# Allegro board MB1209_REVD_160617_FAB4.brd (continued)
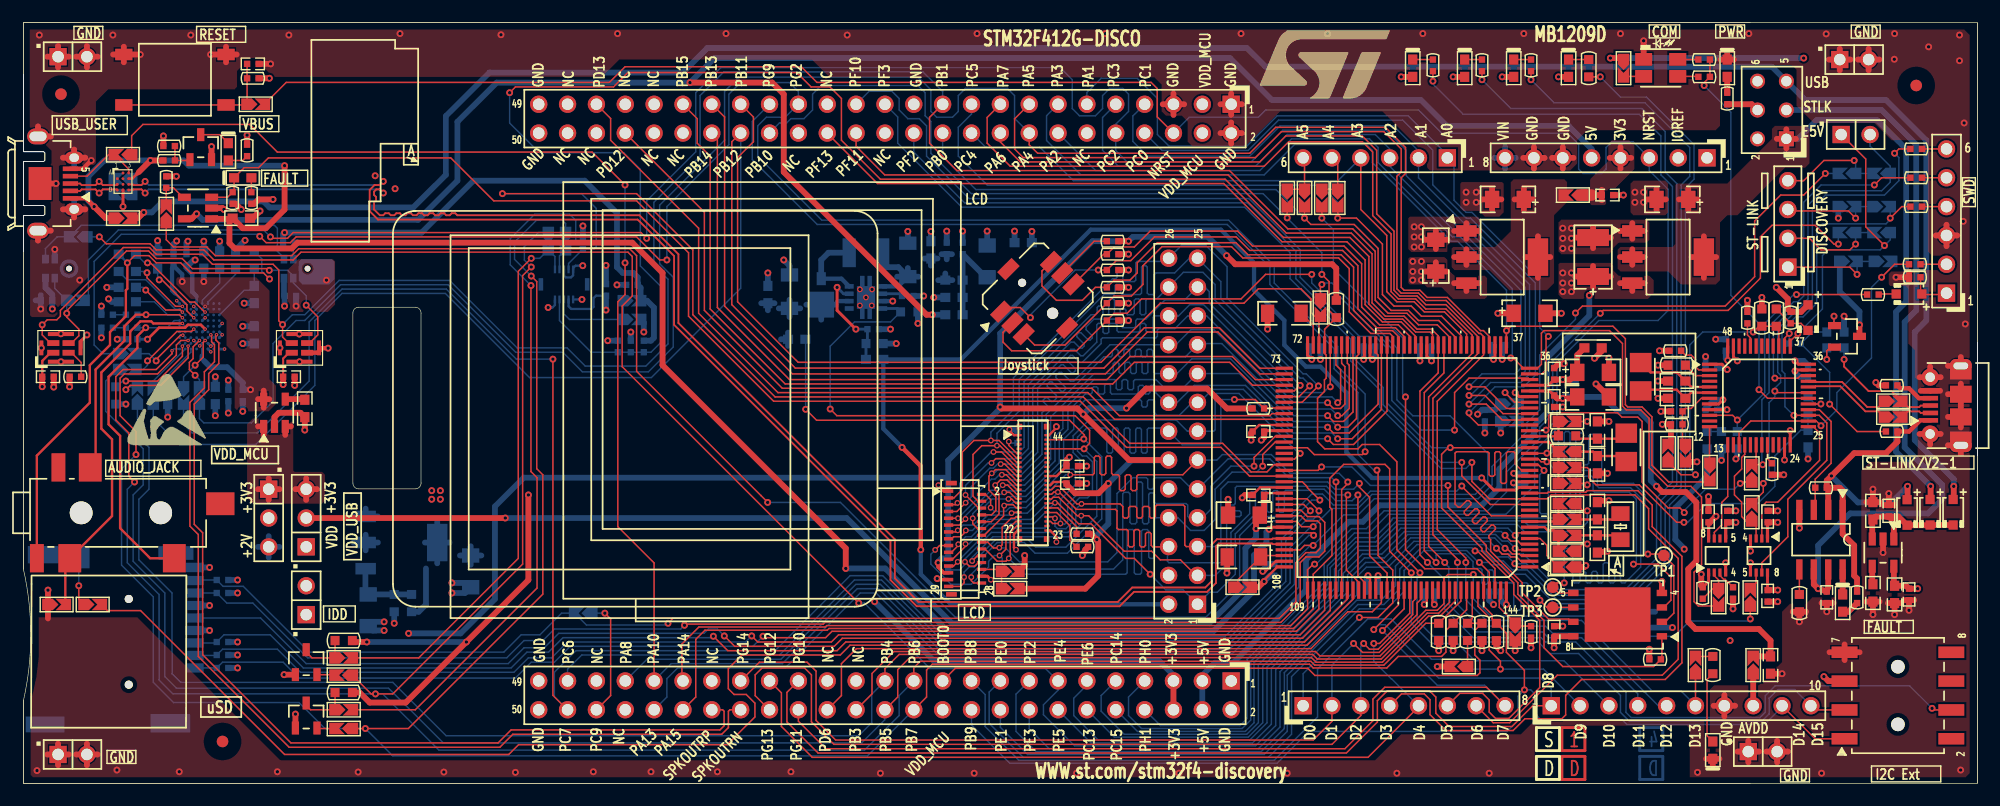
[diagram p0: board, top side]
## Footprints (pads in the part's own frame, mm; a bottom-side part is the same pattern mirrored in y, then rotated) (continued)
LED2_3528
  rect 1.118x1.499 smd: 1(-0.75,-1.5) 2(-0.75,1.5) 3(0.75,1.5) 4(0.75,-1.5)
LQFP48_0R5_9X9
  rect 1.346x0.279 smd: 1(-4.35,2.75) 2(-4.35,2.25) 3(-4.35,1.75) 4(-4.35,1.25) 5(-4.35,0.75) 6(-4.35,0.25) 7(-4.35,-0.25) 8(-4.35,-0.75) 9(-4.35,-1.25) 10(-4.35,-1.75) 11(-4.35,-2.25) 12(-4.35,-2.75) 25(4.35,-2.75) 26(4.35,-2.25) 27(4.35,-1.75) 28(4.35,-1.25) 29(4.35,-0.75) 30(4.35,-0.25) 31(4.35,0.25) 32(4.35,0.75) 33(4.35,1.25) 34(4.35,1.75) 35(4.35,2.25) 36(4.35,2.75)
  rect 0.279x1.346 smd: 13(-2.75,-4.35) 14(-2.25,-4.35) 15(-1.75,-4.35) 16(-1.25,-4.35) 17(-0.75,-4.35) 18(-0.25,-4.35) 19(0.25,-4.35) 20(0.75,-4.35) 21(1.25,-4.35) 22(1.75,-4.35) 23(2.25,-4.35) 24(2.75,-4.35) 37(2.75,4.35) 38(2.25,4.35) 39(1.75,4.35) 40(1.25,4.35) 41(0.75,4.35) 42(0.25,4.35) 43(-0.25,4.35) 44(-0.75,4.35) 45(-1.25,4.35) 46(-1.75,4.35) 47(-2.25,4.35) 48(-2.75,4.35)
MICRO_USB_B_105017
  rect 0.406x1.346 smd: 1(-1.3,0.075) 2(-0.65,0.075) 3(0,0.075) 4(0.65,0.075) 5(1.3,0.075)
  oval 1.194x1.905 hole 0.61x1.295: 6(-3.5,-2.6) 7(3.5,-2.6)
  round 1.499 hole 0.838: 8(-2.5,0.1) 9(2.5,0.1)
  rect 1.499x1.905 smd: 10(-1,-2.6) 11(1,-2.6)
MOLEX_503304-4440
  rect 0.203x0.457 smd: 1(-4.2,-1.229) 2(-3.8,-1.229) 3(-3.4,-1.229) 4(-3,-1.229) 5(-2.6,-1.229) 6(-2.2,-1.229) 7(-1.8,-1.229) 8(-1.4,-1.229) 9(-1,-1.229) 10(-0.6,-1.229) 11(-0.2,-1.229) 12(0.2,-1.229) 13(0.6,-1.229) 14(1,-1.229) 15(1.4,-1.229) 16(1.8,-1.229) 17(2.2,-1.229) 18(2.6,-1.229) 19(3,-1.229) 20(3.4,-1.229) 21(3.8,-1.229) 22(4.2,-1.229) 23(4.2,1.229) 24(3.8,1.229) 25(3.4,1.229) 26(3,1.229) 27(2.6,1.229) 28(2.2,1.229) 29(1.8,1.229) 30(1.4,1.229) 31(1,1.229) 32(0.6,1.229) 33(0.2,1.229) 34(-0.2,1.229) 35(-0.6,1.229) 36(-1,1.229) 37(-1.4,1.229) 38(-1.8,1.229) 39(-2.2,1.229) 40(-2.6,1.229) 41(-3,1.229) 42(-3.4,1.229) 43(-3.8,1.229) 44(-4.2,1.229)
  rect 0.508x0.483 smd: 45(-4.95,-1.195) 46(4.95,-1.195) 47(4.95,1.195) 48(-4.95,1.195)
MOLEX_47590001
  rect 0.406x1.346 smd: 1(1.3,0) 2(0.65,0) 3(0,0) 4(-0.65,0) 5(-1.3,0)
  oval 1.067x1.6 hole 0.762x0.838: 6(2.275,0.325) 7(-2.275,0.325)
  oval 1.397x1.905 hole 0.838x1.499: 8(-4.15,-2.855) 9(4.15,-2.855)
  rect 2.896x2.007 smd: 10(0,-2.675)
MP34DT01TR
  rect 0.508x1.067 smd: 1(-0.425,0.675) 2(-0.425,-0.675) 3(0.425,-0.675) 4(0.425,0.675)
  round 0.152 smd: 5(-0.025,-1.753)
MSD_PJS008_
  round 0.711 hole 0.711 unplated: (0,0) (7.55,0)
  rect 0.813x1.6 smd: 1(1.475,5.8) 2(2.575,5.8) 3(3.675,5.8) 4(4.775,5.8) 5(5.875,5.8) 6(6.975,5.8) 7(8.075,5.8) 8(9.175,5.8)
  rect 0.838x1.6 smd: 9(10.325,5.8)
  rect 1.956x1.905 smd: 10(11.225,-4.4)
  rect 1.524x3.073 smd: 11(11.45,-7.35)
  rect 1.397x3.429 smd: 12(-3.503,-7.357)
  rect 1.6x3.505 smd: 13(-3.4,3.65)
  rect 1.194x3.099 smd: 14(11.6,4.15)
MT-008A
  round 0.711 hole 0.711 unplated: (-1.9,0)
  round 0.991 hole 0.991 unplated: (1.9,0)
  rect 1.016x1.778 smd: 1(-1.4,-3.1) 2(0,-3.1) 3(1.4,-3.1) 4(1.4,3.1) 5(0,3.1) 6(-1.4,3.1) 7(-3.6,0) 8(3.7,0)
PB10
  rect 1.524x1.016 smd: 1(-4.5,-2.223) 2(-4.5,2.223) 3(4.5,2.223) 4(4.5,-2.223)
PJ3028B
  round 2.007 hole 2.007 unplated: (0,0) (7,0)
  rect 1.219x2.489 smd: 2(-3.9,-4) 7(-2,4)
  rect 2.007x2.489 smd: 3(-1,-4) 4(0.8,4) 6(8.2,-4)
  rect 2.489x2.007 smd: 5(12.25,0.8)
RHLGA5LD
  round 0.508 hole 0.508: (0.71,0)
  rect 0.584x0.762 smd: 1(-1.364,-0.837) 2(-0.542,-0.837) 4(-0.542,0.837) 5(-1.364,0.837)
  round 0.152 smd: 3(0.711,0.66)
SB_0603
  round 0.152 smd: 1(-0.762,0) 2(0.762,0)
SIP2
  rect 1.524x1.524 hole 1.016: 1(0,0)
  round 1.524 hole 1.016: 2(2.54,0)
SIP3
  rect 1.524x1.524 hole 1.016: 1(0,0)
  round 1.524 hole 1.016: 2(2.54,0) 3(5.08,0)
SOD-323
  rect 0.813x0.813 smd: 1(-1.125,0) 2(1.125,0)
SOIC8_1R27_4R9X6
  rect 0.559x1.778 smd: 1(-1.905,-2.624) 2(-0.635,-2.624) 3(0.635,-2.624) 4(1.905,-2.624) 5(1.905,2.624) 6(0.635,2.624) 7(-0.635,2.624) 8(-1.905,2.624)
SON8_0R65_3X3
  rect 0.406x0.787 smd: 1(-0.975,-1.475) 2(-0.325,-1.475) 3(0.325,-1.475) 4(0.975,-1.475) 5(0.975,1.475) 6(0.325,1.475) 7(-0.325,1.475) 8(-0.975,1.475)
  custom 3.8x1.6 smd: 9(0,0)
SOT23-5
  rect 0.635x1.143 smd: 1(-0.95,-1.2) 2(0,-1.2) 3(0.95,-1.2) 4(0.95,1.2) 5(-0.95,1.2)
SOT23-213
  rect 1.143x0.635 smd: 1(1.1,0.95) 2(1.1,-0.95) 3(-1.1,0)
SOT-23
  rect 0.635x1.143 smd: 1(-0.95,-1.1) 2(0.95,-1.1) 3(0,1.1)
SOT-223
  rect 1.016x1.803 smd: 1(-2.3,-3.15) 2(0,-3.15) 3(2.3,-3.15)
  rect 3.302x1.803 smd: 4(0,3.15)
SSM-104-L-DH
  round 1.194 hole 1.194 unplated: (-2.54,0) (2.54,0)
  rect 1.016x2.286 smd: 1(3.81,-4.698) 2(3.81,4.698) 3(1.27,-4.698) 4(1.27,4.698) 5(-1.27,-4.698) 6(-1.27,4.698) 7(-3.81,-4.698) 8(-3.81,4.698)
TAN-A
  rect 1.27x1.524 smd: 1(1.397,0) 2(-1.397,0)
TAN-B
  rect 1.499x2.794 smd: 1(-1.714,0) 2(1.714,0)
TP_C40
  round 1.016 smd: 1(0,0)
TQFP144_0R5_22X22
  rect 1.524x0.279 smd: 1(-10.8,8.75) 2(-10.8,8.25) 3(-10.8,7.75) 4(-10.8,7.25) 5(-10.8,6.75) 6(-10.8,6.25) 7(-10.8,5.75) 8(-10.8,5.25) 9(-10.8,4.75) 10(-10.8,4.25) 11(-10.8,3.75) 12(-10.8,3.25) 13(-10.8,2.75) 14(-10.8,2.25) 15(-10.8,1.75) 16(-10.8,1.25) 17(-10.8,0.75) 18(-10.8,0.25) 19(-10.8,-0.25) 20(-10.8,-0.75) 21(-10.8,-1.25) 22(-10.8,-1.75) 23(-10.8,-2.25) 24(-10.8,-2.75) 25(-10.8,-3.25) 26(-10.8,-3.75) 27(-10.8,-4.25) 28(-10.8,-4.75) 29(-10.8,-5.25) 30(-10.8,-5.75) 31(-10.8,-6.25) 32(-10.8,-6.75) 33(-10.8,-7.25) 34(-10.8,-7.75) 35(-10.8,-8.25) 36(-10.8,-8.75) 73(10.8,-8.75) 74(10.8,-8.25) 75(10.8,-7.75) 76(10.8,-7.25) 77(10.8,-6.75) 78(10.8,-6.25) 79(10.8,-5.75) 80(10.8,-5.25) 81(10.8,-4.75) 82(10.8,-4.25) 83(10.8,-3.75) 84(10.8,-3.25) 85(10.8,-2.75) 86(10.8,-2.25) 87(10.8,-1.75) 88(10.8,-1.25) 89(10.8,-0.75) 90(10.8,-0.25) 91(10.8,0.25) 92(10.8,0.75) 93(10.8,1.25) 94(10.8,1.75) 95(10.8,2.25) 96(10.8,2.75) 97(10.8,3.25) 98(10.8,3.75) 99(10.8,4.25) 100(10.8,4.75) 101(10.8,5.25) 102(10.8,5.75) 103(10.8,6.25) 104(10.8,6.75) 105(10.8,7.25) 106(10.8,7.75) 107(10.8,8.25) 108(10.8,8.75)
  rect 0.279x1.524 smd: 37(-8.75,-10.8) 38(-8.25,-10.8) 39(-7.75,-10.8) 40(-7.25,-10.8) 41(-6.75,-10.8) 42(-6.25,-10.8) 43(-5.75,-10.8) 44(-5.25,-10.8) 45(-4.75,-10.8) 46(-4.25,-10.8) 47(-3.75,-10.8) 48(-3.25,-10.8) 49(-2.75,-10.8) 50(-2.25,-10.8) 51(-1.75,-10.8) 52(-1.25,-10.8) 53(-0.75,-10.8) 54(-0.25,-10.8) 55(0.25,-10.8) 56(0.75,-10.8) 57(1.25,-10.8) 58(1.75,-10.8) 59(2.25,-10.8) 60(2.75,-10.8) 61(3.25,-10.8) 62(3.75,-10.8) 63(4.25,-10.8) 64(4.75,-10.8) 65(5.25,-10.8) 66(5.75,-10.8) 67(6.25,-10.8) 68(6.75,-10.8) 69(7.25,-10.8) 70(7.75,-10.8) 71(8.25,-10.8) 72(8.75,-10.8) 109(8.75,10.8) 110(8.25,10.8) 111(7.75,10.8) 112(7.25,10.8) 113(6.75,10.8) 114(6.25,10.8) 115(5.75,10.8) 116(5.25,10.8) 117(4.75,10.8) 118(4.25,10.8) 119(3.75,10.8) 120(3.25,10.8) 121(2.75,10.8) 122(2.25,10.8) 123(1.75,10.8) 124(1.25,10.8) 125(0.75,10.8) 126(0.25,10.8) 127(-0.25,10.8) 128(-0.75,10.8) 129(-1.25,10.8) 130(-1.75,10.8) 131(-2.25,10.8) 132(-2.75,10.8) 133(-3.25,10.8) 134(-3.75,10.8) 135(-4.25,10.8) 136(-4.75,10.8) 137(-5.25,10.8) 138(-5.75,10.8) 139(-6.25,10.8) 140(-6.75,10.8) 141(-7.25,10.8) 142(-7.75,10.8) 143(-8.25,10.8) 144(-8.75,10.8)
unnamed#2
  round 1.016 smd: (0,0)
USOP8_0R5_2X3R1
  rect 0.279x0.711 smd: 1(-0.75,-1.5) 2(-0.25,-1.5) 3(0.25,-1.5) 4(0.75,-1.5) 5(0.75,1.5) 6(0.25,1.5) 7(-0.25,1.5) 8(-0.75,1.5)
XTAL_2SM_3R2X1R5
  rect 1.295x1.6 smd: 1(-1.15,0) 2(1.15,0)
XTAL_2SM_3R2X2R5
  rect 1.702x1.905 smd: 1(-1.25,0) 2(1.25,0)

## Nets
+1V8: C42.1 C44.1 C63.1 U15.D1 U15.D8 U15.G9 U18.5
+2V: C55.1 JP5.3 R90.1 U16.2 U16.4
+3V3: C2.1 C43.1 C54.1 C70.1 C80.2 CN2.2 CN2.4 CN7.10 CN8.35 CN14.9 CN15.26 JP5.1 JP6.3 L8.1 LD1.1 LD2.1 LD3.1 LD4.1 P2.5 P2.6 R12.1 R16.1 R17.1 R18.1 R52.1 R65.2 R87.2 R106.1 SB4.2 U15.B2 U15.C2 U15.E9 U16.3 U18.1 U18.3
+3V3_ST_LINK: C27.1 C29.1 C34.1 C35.2 C56.2 C61.2 C62.2 C67.2 R6.2 R44.2 R101.1 SB13.2 SB18.1 T2.3 U6.1 U6.9 U6.24 U6.36 U6.48 U9.5 U10.8 U11.1
+5V: C6.1 CN2.5 D3.1 JP3.2 JP3.4 JP3.6 L4.1 P2.3 P2.4 R9.2 R35.1 U1.5 U2.3
GND: B1.2 B1.3 C1.1 C2.2 C3.2 C4.2 C5.2 C6.2 C7.2 C8.2 C9.2 C10.2 C11.1 C12.2 C13.2 C14.2 C15.2 C16.2 C17.1 C18.1 C19.2 C20.2 C21.2 C22.1 C23.2 C24.1 C25.1 C26.2 C27.2 C28.2 C29.2 C30.2 C31.2 C32.1 C33.1 C34.2 C35.1 C36.1 C37.2 C38.1 C40.1 C41.2 C42.2 C43.2 C44.2 C45.2 C47.2 C48.1 C49.2 C50.2 C51.2 C54.2 C55.2 C56.1 C57.2 C58.2 C59.2 C60.2 C61.1 C62.1 C63.2 C64.2 C65.2 C66.2 C67.1 C68.2 C69.2 C70.2 C71.2 C72.2 C73.2 C74.2 C75.2 C76.2 C80.1 C84.2 C86.1 C87.1 CN2.6 CN2.7 CN3.5 CN3.6 CN3.7 CN3.8 CN3.9 CN3.10 CN4.3 CN6.5 CN6.6 CN6.7 CN6.8 CN6.9 CN6.10 CN6.11 CN7.4 CN8.1 CN8.22 CN8.23 CN8.44 CN10.7 CN12.7 CN13.6 CN13.9 CN14.1 CN14.3 CN14.6 CN14.10 CN15.1 CN15.27 D1.D2 JP1.1 JP1.2 JP2.1 JP2.2 JP8.1 JP8.2 JP9.1 JP9.2 L6.1 LD5.1 LD6.2 LD9.2 P1.1 P1.2 P1.5 P1.23 P1.49 P1.50 P2.1 P2.2 P2.49 P2.50 R10.2 R22.2 R24.2 R26.2 R27.1 R28.2 R30.1 R32.1 R33.2 R36.1 R37.1 R48.1 R57.1 R62.2 R63.2 R79.2 R80.2 R81.1 R84.1 R89.2 R92.2 R98.2 R102.1 R104.1 R105.2 SB9.2 SB19.1 SB29.1 SB31.1 SB35.2 SB41.1 SB45.1 T1.2 U1.2 U2.1 U3.1 U4.5 U5.2 U5.5 U6.8 U6.23 U6.35 U6.47 U7.16 U7.31 U7.38 U7.51 U7.61 U7.83 U7.94 U7.107 U7.120 U7.130 U8.4 U9.2 U10.4 U11.4 U11.5 U12.4 U13.3 U14.2 U14.3 U15.A1 U15.A3 U15.A4 U15.A5 U15.C1 U15.D6 U15.E2 U15.E7 U15.E8 U15.F7 U15.H9 U18.2
VDD: C12.1 C13.1 C28.1 C36.2 C37.1 C49.1 C50.1 C64.1 C65.1 C72.1 C87.2 CN7.12 CN8.33 CN10.5 CN13.4 CN15.25 JP5.2 JP7.1 R8.1 R23.1 R31.1 R38.2 R41.1 R55.1 R58.1 R59.1 R66.1 R67.1 R69.2 R70.1 R71.1 R72.2 R77.1 R82.2 R97.1 R99.2 R100.1 R103.1 R107.1 R113.1 R115.1 R117.1 R118.1 R119.1 SB42.1 SB44.1 TR1.2 TR2.2 U4.1 U5.1 U10.1 U10.5 U11.8 U12.8 U13.5 U14.5 U15.D2
VDD_MCU: C9.1 C20.1 C57.1 C58.1 C59.1 C60.1 C68.1 C71.1 C73.1 C74.1 C75.1 C76.1 JP6.1 JP7.2 L1.1 P1.3 P1.4 P2.22 SB26.2 SB27.1 SB34.2 U7.17 U7.39 U7.52 U7.62 U7.72 U7.84 U7.108 U7.121 U7.131 U7.144
VDD_USB33: C22.2 C26.1 JP6.2 U7.95
VDDA: C10.1 C11.2 L1.2 R91.2 U7.33
VIN: C7.1 CN2.8 U3.3
2_CKIN: P1.35 SB15.1 U7.70
A0: CN7.1 CN8.29 CN15.21 U7.10
AIN_1: R29.2 R101.2 R102.2 R103.2 U6.10
BLGND: C77.2 C78.1 C79.1 C81.2 C82.2 C83.2 C85.1 L6.2 R43.1 R47.2 R50.1 U17.3 U17.9
BOOT0: P2.21 R68.1 R69.1 U7.138
CUR_SEL: U6.22
D0: CN7.7 CN8.21 CN15.18 U7.85
D1: CN7.8 CN8.20 CN15.17 U7.86
D2: CN7.9 CN8.19 CN15.16 U7.114
D3: CN7.11 CN8.18 CN15.15 U7.115
D4: CN7.15 CN8.17 CN15.14 U7.58
D5: CN7.16 CN8.16 CN15.13 U7.59
D6: CN7.17 CN8.15 CN15.12 U7.60
D7: CN7.18 CN8.14 CN15.11 U7.63
D8: CN7.19 CN8.13 CN15.10 U7.64
D9: CN7.20 CN8.12 CN15.9 U7.65
D10: CN7.21 CN8.11 CN15.8 U7.66
D11: CN7.22 CN8.10 CN15.7 U7.67
D12: CN7.23 CN8.9 CN15.6 U7.68
D13: CN7.24 CN8.8 CN15.5 U7.77
D14: CN7.25 CN8.7 CN15.4 U7.78
D15: CN7.26 CN8.6 CN15.3 U7.79
E5V: C4.1 D5.1 JP3.1 U3.2 U3.4
FMC_NE1: CN7.5 CN8.32 CN15.22 R99.1 U7.123
FMC_NOE: CN7.6 CN8.31 CN15.19 U7.118
FMC_NWE: CN7.3 CN8.30 CN15.20 U7.119
I2C1_SCL: P2.23 R66.2 SB38.2 SB40.2 U7.136 U15.H1
I2C1_SCL_CTP: CN14.5 SB38.1 SB39.1
I2C1_SDA: P2.24 R67.2 SB17.2 SB37.2 U7.137 U15.F3
I2C1_SDA_CTP: CN14.4 SB17.1 SB36.1
IM0: CN8.28 R55.2
IM1: CN8.27 R57.2
LCD_RESET: CN7.14 CN8.26 CN15.23 R41.2 U7.80
LCD_TE: CN7.13 CN8.25 CN15.2 U7.89
LED_STLINK: R1.1 R7.1 U6.30
LEDA: CN8.43 CN15.28 L2.2
LEDK: CN8.41 CN15.29 R43.2 U17.4
MCO: R53.2 U6.29
MICROAB_N: CN3.2 D1.D1 R76.1
MICROAB_P: CN3.3 D1.C1 R75.1
NETB1_1: B1.1 B1.4 C1.2 R8.2 SB1.2
NETB2_5: B2.5 R23.2
NETC3_1: C3.1 SB4.1 U2.2 U2.4
NETC8_1: C8.1 U7.71
NETC19_1: C19.1 R45.2 X2.1
NETC21_1: C21.1 R46.2 X2.2
NETC23_1: C23.1 R54.1 X3.1
NETC24_2: C24.2 C25.2 D4.2 D5.2 D6.2 U9.1 U9.3
NETC30_1: C30.1 R56.1 X3.2
NETC31_1: C31.1 SB27.2 U7.106
NETC33_2: C33.2 U18.4
NETC39_1: C39.1 U15.D7
NETC39_2: C39.2 CN9.2 R78.2
NETC40_2: C40.2 U15.C9
NETC41_1: C41.1 U15.D9
NETC45_1: C45.1 U15.E6
NETC46_1: C46.1 U15.H8
NETC46_2: C46.2 U15.G8
NETC47_1: C47.1 U15.G7
NETC48_2: C48.2 R78.1 U15.A7
NETC51_1: C51.1 U15.H7
NETC52_1: C52.1 CN9.4 U15.G6
NETC52_2: C52.2 R79.1
NETC53_1: C53.1 CN9.6 U15.H6
NETC53_2: C53.2 R80.1
NETC66_1: C66.1 U15.F1
NETC69_1: C69.1 R53.1 SB20.1
NETC77_1: C77.1 C79.2 L2.1 U17.6 Z1.2
NETC82_1: C82.1 C83.1 L3.1 L4.2 L8.2
NETC84_1: C84.1 R90.2 R92.1 U16.1
NETC86_2: C86.2 U9.4
NETCN1_5: CN1.5 SB7.2 SB8.2
NETCN1_6: CN1.6 SB5.2 SB6.2
NETCN3_4: CN3.4 D1.A3 R13.1
NETCN4_1: CN4.1 D2.1 R27.2
NETCN4_2: CN4.2 R25.1
NETCN4_4: CN4.4 R19.1
NETCN4_5: CN4.5 R15.1
NETCN4_6: CN4.6 R11.1
NETCN5_1: CN5.1 SB13.1 SB14.2
NETCN5_2: CN5.2 SB11.2 SB12.1
NETCN5_3: CN5.3 SB9.1 SB10.2
NETCN5_4: CN5.4 SB2.2 SB3.1
NETCN6_2: CN6.2 R40.1
NETCN6_3: CN6.3 R39.1 R85.1
NETCN6_4: CN6.4 R89.1
NETCN9_3: CN9.3 R63.1 U15.G5
NETCN12_8: CN12.8 R74.2
NETCN13_10: CN13.10 R64.2
NETCN14_8: CN14.8 SB44.2 SB45.2
NETCN15_24: CN15.24 SB41.2 SB42.2
NETD2_2: D2.2 R29.1
NETD3_2: D3.2 R34.1 R35.2
NETL5_2: L5.2 U17.8 Z1.1
NETL7_2: L7.2 R50.2 R52.2 U17.7
NETLD1_2: LD1.2 R5.2
NETLD2_2: LD2.2 R4.2
NETLD3_2: LD3.2 R3.2
NETLD4_2: LD4.2 R2.2
NETLD5_2: LD5.2 R1.2
NETLD5_3: LD5.3 R7.2
NETLD5_4: LD5.4 R6.1
NETLD6_1: LD6.1 R9.1
NETLD7_1: LD7.1 R12.2
NETLD7_2: LD7.2 T1.3
NETLD8_1: LD8.1 R18.2
NETLD9_1: LD9.1 R73.2
NETLD10_1: LD10.1 R60.1
NETLD10_2: LD10.2 U8.8
NETP2_46: P2.46 SB43.2
NETR10_1: R10.1 R14.2 T1.1
NETR16_2: R16.2 R20.1 U1.4
NETR32_2: R32.2 U6.44
NETR33_1: R33.1 R34.2 SB18.2 U6.39
NETR36_2: R36.2 U6.2
NETR37_2: R37.2 U6.3
NETR38_1: R38.1 U4.2
NETR42_1: R42.1 R81.2 R83.1 T2.1
NETR47_1: R47.1 U17.2
NETR48_2: R48.2 U6.20
NETR54_2: R54.2 SB23.1 U7.9
NETR56_2: R56.2 SB25.1 U7.8
NETR58_2: R58.2 R61.2 U10.2
NETR59_2: R59.2 U10.3
NETR62_1: R62.1 U8.5
NETR65_1: R65.1 SB39.2 TR2.3
NETR68_2: R68.2 SB31.2
NETR71_2: R71.2 SB29.2 U7.143
NETR73_1: R73.1 SB30.1
NETR77_2: R77.2 U13.2
NETR82_1: R82.1 U15.D4 U15.D5
NETR85_2: R85.2 T2.2
NETR86_1: R86.1 U15.G3
NETR87_1: R87.1 SB36.2 TR1.3
NETR88_1: R88.1 U15.E4
NETR93_1: R93.1 U15.E3
NETR94_2: R94.2 U15.D3
NETR95_1: R95.1 U15.G1
NETR96_1: R96.1 U15.F2
NETR97_2: R97.2 U15.G2
NETSB26_1: SB26.1 U7.6
NETSB32_1: SB32.1 U13.1 U14.1
NETSB33_2: SB33.2 U4.3 U5.3 U13.4 U14.4
NETSB34_1: SB34.1 SB35.1 U7.30
NETSB37_1: SB37.1 TR1.1
NETSB40_1: SB40.1 TR2.1
NRST: CN2.3 P1.6 SB1.1 SB21.2 U7.25
OSC_IN: C14.1 U6.5 X1.2
OSC_OUT: C16.1 U6.6 X1.1
P68: CN8.5 R84.2
PA0: B2.2 R30.2 U7.34
PA1: CN1.1 P1.11 U7.35
PA2: P1.14 R61.1 U7.36
PA3: P1.13 R49.1 U7.37
PA4: P1.16 R93.2 U7.40
PA5: CN12.6 P1.15 SB30.2 U7.41
PA6: CN12.5 P1.18 U7.42
PA7: CN12.4 P1.17 U7.43
PA8: P2.43 SB15.2 U7.100
PA9: C5.1 CN3.1 D1.B3 R14.1 R21.2 U1.1 U7.101
PA10: P2.41 R13.2 U7.102
PA11: D1.D3 R76.2 U7.103
PA12: D1.C3 R75.2 U7.104
PA13: P2.42 SB2.1 U7.105
PA14: P2.39 SB11.1 U7.109
PA15: CN12.3 P2.40 U7.110
PB0: P1.22 SB6.1 U7.46
PB1: P1.21 U4.4 U5.4 U7.47
PB2: R100.2 R104.2 TP3.1 U7.48 U12.6
PB3: P2.28 SB28.2 U7.133
PB4: P2.25 R96.2 U7.134
PB5: P2.26 R88.2 U7.135
PB8: CN12.2 P2.19 U7.139
PB9: CN10.1 CN12.9 P2.20 R70.2 SB7.1 U7.140
PB10: CN10.3 CN12.10 P1.34 R31.2 SB5.1 U7.69
PB12: P1.36 R95.2 U7.73
PB13: P1.37 U7.74
PB14: P1.38 U7.75
PB15: P1.39 U7.76
PC0: P1.8 U7.26
PC1: CN1.2 P1.7 U7.27
PC2: P1.10 SB33.1 U7.28
PC3: CN1.3 P1.9 U7.29
PC4: CN1.4 P1.20 U7.44
PC5: P1.19 SB8.1 U7.45
PC6: P2.47 U7.96
PC7: P2.48 R94.1 U7.97
PC8: CN13.7 R115.2 U7.98
PC9: CN13.8 R113.2 SB43.1 U7.99
PC10: CN13.1 R119.2 U7.111
PC11: CN13.2 R118.2 U7.112
PC12: CN13.5 U7.113
PC13: P2.12 U7.7
PC14: P2.9 SB25.2
PC15: P2.10 SB23.2
PD2: CN13.3 R117.2 U7.116
PD3: R64.1 U7.117
PD6: P2.30 U7.122
PD12: P1.44 U7.81
PD13: P1.45 U7.82
PE0: P2.17 R5.1 U7.141
PE1: P2.18 R4.1 U7.142
PE2: P2.15 R3.1 U7.1
PE3: P2.16 R2.1 U7.2
PE4: P2.13 SB32.2 U7.3
PE5: P2.14 U7.4
PE6: P2.11 U7.5
PF1: U7.11
PF2: P1.24 U7.12
PF3: CN11.7 P1.25 U7.13
PF4: CN11.4 U7.14
PF5: CN7.2 L7.1 U7.15
PF6: U7.18 U12.7
PF7: U7.19 U12.3
PF8: TP2.1 U7.20 U12.5
PF9: TP1.1 U7.21 U12.2
PF10: CN11.6 P1.27 U7.22
PF11: CN10.4 P1.28 U7.49
PF12: CN14.7 R98.1 R106.2 R107.2 U7.50
PF13: P1.30 U7.53
PF14: B2.4 R22.1 U7.54
PF15: B2.1 R28.1 U7.55
PG0: B2.6 R26.1 U7.56
PG1: B2.3 R24.1 U7.57
PG2: P1.31 R86.2 U7.87
PG3: U7.88
PG5: CN14.2 R105.1 U7.90
PG6: R72.1 U7.91 U12.1
PG7: LD8.2 R17.2 U1.3 U7.92
PG8: R20.2 U7.93
PG9: CN11.1 P1.33 U7.124
PG10: CN12.1 P2.31 U7.125
PG11: CN11.8 P2.32 U7.126
PG12: CN11.5 P2.33 U7.127
PG13: CN11.3 P2.34 U7.128
PG14: CN11.2 P2.35 U7.129
PG15: U7.132
PH0: P2.7 SB22.1
PH0-OSC_IN: R46.1 SB20.2 SB22.2 U7.23
PH1: P2.8 SB16.1
PH1-OSC_OUT: R45.1 SB16.2 U7.24
PWR_ENN: R51.2 U6.28 U8.3
SPKOUTRN: P2.36 U15.C3
SPKOUTRP: P2.38 U15.B3
STL_USB_DM: R40.2 U6.32
STL_USB_DP: R39.2 U6.33
STLINK_RX: U6.13 U10.7
STLINK_TX: R49.2 U6.12
STM_JTCK: JP4.1 SB12.2 U6.37
STM_JTMS: JP4.2 SB3.2 U6.34
STM_RST: C18.2 R44.1 SB19.2 U6.7
SWO_MCU: SB28.1 U11.6
T_JRST: U6.19
T_JTCK: R25.2 SB14.1 U6.15 U6.26
T_JTDI: U6.17
T_JTDO: SB24.2 U6.16 U11.3
T_JTMS: R19.2 SB10.1 U6.27 U11.7
T_NRST: R15.2 SB21.1 U6.18
T_SWDIO_IN: U6.25 U11.2
T_SWO: R11.2 SB24.1 U6.31
U5V: D6.1 JP3.5 R21.1
U5V_ST_LINK: C32.2 JP3.3 U8.6 U8.7
USB_RENUMN: R83.2 U6.38
VL: C78.2 C81.1 C85.2 L3.2 L5.1 U17.1
VREF+: C15.1 C17.2 C38.2 R74.1 R91.1 U7.32
VUSB_ST_LINK: CN6.1 D4.1 R42.2 R51.1 R60.2 U8.1 U8.2

Pads without a net: B2 7 8; CN2 1; CN8 2 3 4 24 34 36 37 38 39 40 42 45 46 47 48; CN9 5 7; CN10 2 6 8; CN13 11 12 13 14; CN14 11 12; D1 A2 B1 B2 C2; P1 12 26 29 32 40 41 42 43 46 47 48; P2 27 29 37 44 45; U6 4 11 14 21 40 41 42 43 45 46; U10 6; U12 9; U15 A2 A6 A8 A9 B1 B4 B5 B6 B7 B8 B9 C4 C5 C6 C7 C8 E1 E5 F4 F5 F6 F8 F9 G4 H2 H3 H4 H5; U17 5

## Via types
v1: diameter 0.61, hole 0.305, TOP to BOTTOM, 546 vias
v2: diameter 0.508, hole 0.305, TOP to BOTTOM, 51 vias
v3: diameter 0.305, hole 0.152, TOP to BOTTOM, 29 vias

## Routing (per net, layer and track width the routed paths; a pad name or vN(x,y) marks a point on that pad's centre or on a via; arc(x,y) is an arc through that point)
+1V8: length 16.2
  TOP w0.508: 21.15,33.09 U18.5 ; U18.5 20.65,33.84 ; U18.5 21.15,34.59 ; U18.5 21.64,33.84
  BOTTOM w0.229: 15.7,37.67 15.74,37.71 U15.D1 ; 13.34,43.16 U15.G9 ; U15.D8 v3(15.99,42.01)
  BOTTOM w0.381: v1(13.97,44.2) 13.97,44.83 C44.1 13.08,45.34 13.08,43.42 13.34,43.16 ; 15.93,37.19 15.7,37.41 15.7,37.67
  BOTTOM w0.508: C42.1 v1(15.88,44.2) ; 15.93,37.19 16.46,36.65 17.93,36.65 19.3,35.28 C63.1 v1(19.99,34.67)
+2V: length 21.3
  BOTTOM w0.508: 20.65,20.83 JP5.3 ; JP5.3 21.59,19.89 ; JP5.3 22.53,20.83 ; JP5.3 21.59,21.77 ; U16.2 30.12,21.9 ; U16.2 31.2,21.21 ; U16.2 30.12,20.52 ; U16.2 29.04,21.21 ; 36.42,19.38 U16.4 ; U16.4 36.42,23.04 ; U16.4 35.34,21.21 ; U16.4 37.5,21.21 ; 39.37,19.25 C55.1 ; C55.1 40.31,20.07 ; C55.1 39.37,20.88 ; C55.1 38.43,20.07 ; 35.43,18.92 35.43,15.75 34.8,15.11 R90.1
+3V3: length 124.6
  TOP w0.203: C70.1 90.95,27.07 CN8.35
  TOP w0.254: v2(85.17,17.93) 84.86,18.24 84.35,18.24 CN15.26
  TOP w0.508: 23.05,30.69 U18.3 23.54,31.44 ; LD3.1 v1(125.86,62.23) ; JP6.3 25.83,25.91 ; JP6.3 24.89,26.85 ; JP6.3 24.89,24.97 ; JP6.3 23.95,25.91 ; R65.2 29.08,12.45 v1(30.23,12.45) ; 21.59,24.97 JP5.1 ; JP5.1 22.53,25.91 ; JP5.1 21.59,26.85 ; JP5.1 20.65,25.91 ; R12.1 v1(19.68,57.1) ; v1(19.18,50.55) 18.67,51.05 R17.1 ; v1(21.97,51.44) 20.7,51.44 20.32,51.05 R18.1 ; C2.1 138.94,52.27 ; C2.1 138.48,51.82 ; C2.1 138.94,51.36 ; CN2.4 141.53,55.09 ; CN2.4 140.59,54.15 ; CN2.4 140.59,56.03 ; CN2.4 139.65,55.09 ; LD2.1 v1(130.18,62.23) ; R16.1 v1(13.46,53.47) ; LD4.1 v1(121.28,62.23) ; R87.2 29.59,8 30.48,7.11 33.66,7.11 v1(38.99,12.45) 44.45,17.91 v1(44.45,25.4) ; v1(92.08,28.73) 91.82,28.47 C70.1 ; P2.5 P2.6 ; 21.15,30.69 U18.1 20.65,31.44 ; LD1.1 v1(135.13,62.23)
  TOP w1.016: SB4.2 138.05,51.82
  BOTTOM w0.203: C80.2 50.41,42.95 50.19,42.74 50.19,41.98 50,41.79 48.22,41.79 47.99,42.02 CN14.9
  BOTTOM w0.229: U15.C2 v3(16.49,38.51) U15.B2 ; U15.E9 15.24,42.26 15.24,42.9
  BOTTOM w0.381: C43.1 14.35,45.34 14.86,44.83 14.86,43.28 15.24,42.9
  BOTTOM w0.508: P2.5 101.24,9.53 100,10.77 80.16,10.77 v1(74.93,16) ; v1(15.11,46.1) 14.99,46.1 14.48,45.59 C43.1 ; 20.65,25.91 JP5.1 ; JP5.1 22.53,25.91 ; JP5.1 21.59,26.85 ; JP5.1 21.59,24.97 ; U16.3 31.2,23.51 ; U16.3 29.04,23.51 ; U16.3 30.12,24.2 ; R52.1 v1(76.83,38.73) ; 23.95,25.91 JP6.3 ; JP6.3 24.89,26.85 ; JP6.3 25.83,25.91 ; JP6.3 24.89,24.97 ; v1(30.23,12.45) v1(38.99,12.45) ; C54.1 v1(19.3,38.73) ; C80.2 v1(51.28,41.68) ; 52.32,38.99 v1(51.44,38.99) ; L8.1 v1(80.14,42.8)
  vias: v1(35.94,25.78) v1(35.94,25.02) v1(36.7,25.78) v1(36.7,25.02)
+3V3_ST_LINK: length 48.5
  TOP w0.254: U6.9 v1(149.97,32.91) ; v1(155.96,37.21) 156.25,36.91 U6.36 ; U6.24 v1(155.53,31.07) ; U6.48 v1(150.03,37.25) ; v1(149.99,36.45) 149.52,36.91 U6.1
  TOP w0.279: C27.1 148.35,22.98 U10.8 ; C29.1 153.53,22.98 U11.1
  TOP w0.508: T2.3 v1(161.63,40.39) ; v1(154.43,22.99) C29.1 ; v1(139.7,63.88) 140.73,63.88 R6.2 ; v1(144.27,31.62) R44.2 145.03,29.97 ; v1(166.75,17.14) C35.2 165.74,17.4 C34.1 164.65,17.47 U9.5 ; C27.1 148.46,22.99 v1(149,23.52)
  BOTTOM w0.508: v1(150.75,28.57) 150.88,28.7 R101.1 ; v1(161.63,40.39) 161.63,41.57 159.89,43.31 SB13.2 ; v1(149.99,36.45) 149.86,36.58 C61.2 ; C67.2 149.12,32.91 v1(149.97,32.91) ; v1(150.03,37.25) 149.86,37.43 C56.2 ; v1(155.96,37.21) 156.72,37.21 C62.2 ; v1(156.72,63.88) v1(139.7,63.88)
+5V: length 243.8
  TOP w0.508: 124.33,44.27 C6.1 ; C6.1 125.27,45.09 ; C6.1 124.33,45.9 ; C6.1 123.39,45.09 ; U2.3 128.1,44.06 ; U2.3 125.94,44.06 ; U2.3 127.02,43.37 ; JP3.4 152.15,59.82 R9.2 ; v1(154.31,43.69) 155.32,42.67 155.32,41.78 R35.1 156.48,41.53 D3.1 ; v1(58.67,61.72) 65.91,61.72 66.93,60.71 66.93,53.85 79.5,41.27 v1(80.01,41.27) ; U1.5 14.8,49.72 v1(15.24,50.16)
  BOTTOM w0.508: L4.1 v1(80.01,41.27) ; v1(15.24,50.16) 15.77,49.63 34.75,49.63 38.2,53.09 38.2,58.27 41.66,61.72 v1(58.67,61.72) 60.83,63.88 106.22,63.88 109.91,60.2 123.01,60.2 125.3,57.91 136.02,57.91 138.05,55.88 CN2.5 ; P2.4 P2.3 103.78,9.52 104.88,10.62 106.5,10.62 112.9,17.02 112.9,19.68 113.41,20.19 113.84,20.19 116.69,23.04 117.91,23.04 119.35,24.49 128.37,24.49 129.92,26.04 129.92,27.69 132.97,30.73 132.97,31.5 134.11,32.64 134.11,37.47 137.85,41.2 v1(137.85,42.98)
  vias: v1(122.3,45.97) v1(122.3,45.09) v1(122.3,44.32) v1(123.06,45.97) v1(123.06,45.09) v1(123.06,44.32)
GND: length 366.8
  TOP w0.203: v1(118.36,18.29) 118.54,18.11 U7.120 ; CN8.23 90.38,22.27 90.93,21.72 v2(90.93,21.26) ; U7.83 108.78,31.56 C20.2 ; v1(123.32,15.75) 123.54,15.97 U7.130 ; v1(90.93,31.42) 90.93,31.32 90.28,30.67 CN8.44 ; U7.107 110.24,19.56 109.35,18.67 v1(109.09,18.67) ; v2(86.79,31.17) 86.79,31.06 87.19,30.67 CN8.1 ; v2(87.38,20.57) 87.2,20.75 87.2,21.95 87.52,22.27 CN8.22 ; C22.1 108.87,26.06 U7.94
  TOP w0.254: v1(155.96,36.32) 156.05,36.41 U6.35 ; U6.47 150.53,37.56 v1(150.88,37.21) ; U7.61 118.54,37.54 v1(118.75,37.34) ; v1(123.95,37.21) 123.54,37.62 U7.51 ; U11.5 v1(152.03,19.42) ; v1(131.17,26.47) 131.26,26.56 U7.16 ; U7.31 131.67,34.06 v1(131.32,34.42) ; v1(149.61,33.78) 149.24,33.41 U6.8 ; U6.23 v1(155.03,28.48) ; v1(130.18,37.34) 130.04,37.48 U7.38 ; U4.5 5.05,38.96 v1(5.59,39.5) ; D1.D2 v1(8.76,50.8) ; U11.4 v1(152.03,20.46) ; U10.4 v1(149.85,19.42)
  TOP w0.305: v2(80.54,26.26) 80.54,26.25 81.05,25.74 CN15.1 ; CN15.27 80.53,17.94 v1(80.43,18.03)
  TOP w0.381: v1(26.82,38.33) U5.5 26.05,38.09 25.89,37.93 U5.2 ; v1(5.97,54.86) 5.24,54.13 CN3.5
  TOP w0.508: C28.2 v1(150.75,24) ; CN2.7 133.91,55.09 ; CN2.7 132.03,55.09 ; CN2.7 132.97,54.15 ; CN2.7 132.97,56.03 ; v1(105.94,18.52) 105.97,18.54 C31.2 ; 4.46,49.85 CN3.6 ; CN3.6 3.48,50.56 ; CN3.6 5.44,50.56 ; 165.53,16.13 C35.1 ; C35.1 v1(165.99,15.24) ; C35.1 166.45,16.13 ; U2.1 127.02,49.34 ; U2.1 128.1,48.65 ; U2.1 125.94,48.65 ; U2.1 127.02,47.97 ; 160.32,10.86 CN10.7 ; CN10.7 160.32,12.23 ; CN10.7 158.99,11.54 ; CN10.7 161.64,11.54 ; 150.9,2.79 JP8.1 ; JP8.1 151.84,1.85 ; JP8.1 152.78,2.79 ; JP8.1 151.84,3.73 ; v1(108.08,30.23) 108.08,30.86 C20.2 ; U9.2 v1(163.7,20.32) ; 3.05,63.07 JP1.1 ; JP1.1 2.11,64.01 ; JP1.1 3.05,64.95 ; JP1.1 3.99,64.01 ; CN6.9 167.85,36.7 ; CN6.9 166.92,35.77 ; CN6.9 168.78,35.77 ; 158.95,63.75 JP2.1 ; JP2.1 160.83,63.75 ; JP2.1 159.89,64.69 ; JP2.1 159.89,62.81 ; JP1.2 5.59,64.95 ; JP1.2 6.53,64.01 ; JP1.2 5.59,63.07 ; JP1.2 4.65,64.01 ; C34.2 v1(164.72,14.86) ; C34.2 165.3,15.88 ; C34.2 164.13,15.88 ; JP9.1 3.05,3.48 ; JP9.1 2.11,2.54 ; JP9.1 3.05,1.6 ; JP9.1 3.99,2.54 ; C2.2 v1(140.84,51.82) ; C12.2 v1(2.67,34.9) ; JP2.2 163.37,63.75 ; JP2.2 162.43,62.81 ; JP2.2 161.49,63.75 ; JP2.2 162.43,64.69 ; B1.3 18.78,64.2 ; B1.3 17.84,63.51 ; B1.3 17.84,64.88 ; B1.3 v1(16.48,64.2) ; v1(20.83,50.42) 20.19,49.78 C5.2 ; P1.2 106.32,58.22 ; P1.2 105.38,57.28 ; P1.2 106.32,56.34 ; P1.2 107.26,57.28 ; C10.2 v1(139.57,37.47) ; 153.44,2.79 JP8.2 ; JP8.2 155.32,2.79 ; JP8.2 154.38,3.73 ; JP8.2 154.38,1.85 ; R32.1 v1(151.76,42.55) ; CN12.7 149.73,7.77 ; CN12.7 149.73,5.89 ; CN12.7 150.67,6.83 ; CN12.7 148.79,6.83 ; 167.85,29.85 CN6.8 ; CN6.8 166.92,30.77 ; CN6.8 168.78,30.77 ; CN3.7 5.44,55.11 ; CN3.7 3.48,55.11 ; CN3.7 4.46,55.82 ; C36.1 v1(154.43,16) ; 1.28,57.86 CN3.8 2.41,56.98 ; 141.63,47.97 U3.1 ; U3.1 141.63,49.34 ; U3.1 140.55,48.65 ; U3.1 142.71,48.65 ; B1.2 8.83,64.88 ; B1.2 7.89,64.2 ; B1.2 v1(10.28,64.2) ; B1.2 8.83,63.51 ; LD9.2 149.3,2.16 ; LD9.2 148.13,2.16 ; LD9.2 148.72,1.54 ; C38.1 v1(154.81,9.65) ; P1.5 101.24,60.76 ; P1.5 100.3,59.82 ; P1.5 102.18,59.82 ; P1.5 101.24,58.88 ; C86.1 v1(162.81,14.86) ; C86.1 163.4,16 ; C86.1 162.23,16 ; SB41.1 88.14,19.18 v1(88.14,20.07) ; C4.2 144.58,51.44 ; C4.2 143.76,52.38 ; C4.2 143.76,50.49 ; C4.2 142.95,51.44 ; JP9.2 5.59,3.48 ; JP9.2 6.53,2.54 ; JP9.2 5.59,1.6 ; JP9.2 4.65,2.54 ; 168.35,48.26 CN4.3 ; CN4.3 169.29,47.32 ; CN4.3 170.23,48.26 ; CN4.3 169.29,49.2 ; C23.2 138.68,24.89 v1(139.57,24.89) ; C18.1 v1(144.15,32.77) ; 149.4,63.75 LD6.2 ; LD6.2 150.57,63.75 ; LD6.2 149.99,64.38 ; P1.1 106.32,60.76 ; P1.1 106.32,58.88 ; P1.1 105.38,59.82 ; P1.1 107.26,59.82 ; C3.2 129.29,52.38 ; C3.2 128.47,51.44 ; C3.2 130.1,51.44 ; C3.2 129.29,50.49 ; SB31.1 v1(124.46,10.29) ; R27.1 165.99,45.03 ; R27.1 v1(164.85,44.58) ; R27.1 165.99,44.12 ; C19.2 v1(139.57,31.88) ; R28.2 v1(97.28,45.21) ; CN6.10 170.55,33.2 ; CN6.10 170.55,31.35 ; CN6.10 169.42,32.27 ; C15.2 v1(138.43,35.18) ; CN2.6 135.51,56.03 ; CN2.6 134.57,55.09 ; CN2.6 135.51,54.15 ; CN2.6 136.45,55.09 ; C24.1 163.4,24.77 ; C24.1 162.23,24.77 ; C24.1 v1(162.81,25.91) ; v1(107.29,25.15) 107.54,25.4 C22.1 ; C25.1 164.67,24.51 ; C25.1 v1(164.21,25.53) ; C25.1 163.75,24.51 ; C21.2 v1(139.45,27.3) ; C8.2 v1(109.52,40.01) ; C27.2 v1(148.34,25.25) ; C9.2 v1(135.38,41.4) ; 170.55,29 CN6.6 169.42,29.77 ; C13.2 v1(23.88,35.05) ; 155.75,15.11 R62.2 ; R62.2 156.92,15.11 ; R62.2 v1(156.34,14.22) ; R24.2 v1(97.28,42.29) ; C1.1 v1(21.76,63.37) ; C11.1 135.13,36.96 v1(135.64,36.96) ; 170.55,37.55 CN6.7 169.42,36.77 ; U12.4 v1(144.23,17.78) ; v1(93.22,20.07) 93.22,20.19 93.47,20.45 93.47,20.57 R57.1 ; v1(135.51,13.84) C37.2 ; 170.55,33.35 CN6.11 ; CN6.11 170.55,35.2 ; CN6.11 169.42,34.27 ; R30.1 v1(97.28,40.77) ; 2.16,14.53 R63.2 v1(2.16,17.02) ; R37.1 v1(143.89,36.83) ; 2.41,48.68 CN3.9 1.28,47.81 ; v1(24.77,31.11) C33.1 24.38,32.64 22.48,32.64 22.1,32.26 U18.2 ; R26.2 v1(97.28,43.69) ; v1(163.07,35.31) 163.32,35.05 R89.2 ; T1.2 v1(16.56,56.09) ; R48.1 v1(154.97,27.18) ; C14.2 v1(143.89,35.43) ; 123.39,47.88 C6.2 ; C6.2 124.33,48.69 ; C6.2 124.33,47.07 ; C6.2 125.27,47.88 ; 12.32,56.13 v1(12.32,57.02) ; v1(17.65,50.55) 17.53,50.67 U1.2 ; C29.2 v1(154.43,24) ; C17.1 v1(135.51,33.15) ; SB29.1 v1(131.32,11.68) ; C16.2 v1(143.89,33.91) ; C7.2 139.75,48.07 ; C7.2 136.6,48.07 ; C7.2 138.18,49 ; C7.2 138.18,47.14 ; U8.4 v1(156.34,22.48) ; R33.2 v1(153.03,42.8) ; C30.2 v1(139.45,20.45) ; C32.1 v1(158.75,15.11) ; C32.1 158.29,15.88 ; C32.1 159.21,15.88 ; R22.2 v1(97.28,46.61) ; C70.2 v1(93.6,27.94) ; CN3.10 v1(2.87,52.83) ; 167.02,34.57 CN6.5 168.73,34.57 ; C72.2 v1(93.6,26.42) ; LD5.1 v1(142.63,65.41) ; C26.2 v1(106.05,25.02) ; SB19.1 v1(147.32,28.32) ; 144.91,38.1 v1(144.02,38.1)
  BOTTOM w0.203: CN14.6 46.79,42.13 46.57,41.91 v1(46.19,41.91) ; v1(49.24,45.6) 48.6,45.6 48.39,45.38 CN14.1 48.39,44.75 48.21,44.56 47.73,44.56 47.59,44.71 CN14.3 ; CN14.10 v1(49.17,42.62)
  BOTTOM w0.229: U15.A1 17.25,38.25 17.7,38.25 v3(17.7,38.25) ; U15.A4 v3(17.49,39.51) U15.A3 ; U15.F7 14.74,41.26 v3(14.99,41.51) U15.E7 ; U15.E8 v3(14.99,42.01) ; U15.H9 v3(13.49,42.51) ; U15.A5 v3(17.49,40.51) ; U15.C1 v3(16.49,38.01) ; U15.E2 v3(14.99,39.01) ; U15.D6 v3(15.99,41.01)
  BOTTOM w0.508: C58.2 v1(123.95,37.21) ; 4.65,2.54 JP9.2 ; JP9.2 5.59,1.6 ; JP9.2 6.53,2.54 ; JP9.2 5.59,3.48 ; C74.2 129.03,16.13 v1(129.41,15.75) ; R92.2 v1(32.64,14.1) ; C69.2 v1(157.1,28.57) ; R102.1 v1(149.48,28.45) ; 5.59,63.07 JP1.2 ; JP1.2 5.59,64.95 ; JP1.2 4.65,64.01 ; JP1.2 6.53,64.01 ; C61.1 v1(148.08,37.59) ; 169.29,47.32 CN4.3 ; CN4.3 169.29,49.2 ; CN4.3 170.23,48.26 ; CN4.3 168.35,48.26 ; 154.38,1.85 JP8.2 ; JP8.2 155.32,2.79 ; JP8.2 153.44,2.79 ; JP8.2 154.38,3.73 ; R84.1 87.33,31.17 v2(86.79,31.17) ; 118.24,16.89 118.24,18.16 v1(118.36,18.29) ; JP1.1 3.99,64.01 ; JP1.1 3.05,63.07 ; JP1.1 2.11,64.01 ; JP1.1 3.05,64.95 ; 18.03,33.66 v1(18.03,32.62) ; JP9.1 3.99,2.54 ; JP9.1 3.05,3.48 ; JP9.1 2.11,2.54 ; JP9.1 3.05,1.6 ; 1.28,47.81 CN3.9 2.41,48.68 ; C60.2 v1(114.17,37.34) ; 4.46,49.85 CN3.6 ; CN3.6 4.46,51.27 ; CN3.6 5.44,50.56 ; CN3.6 3.48,50.56 ; C44.2 13.21,47.5 v1(13.49,47.78) ; CN12.7 149.73,7.77 ; CN12.7 148.79,6.83 ; CN12.7 150.67,6.83 ; v1(155.96,36.32) 155.96,36.2 156.34,35.81 C62.1 ; v1(149.61,33.78) 148.84,33.78 148.08,33.02 C67.1 ; CN2.7 133.91,55.09 ; CN2.7 132.97,56.03 ; CN2.7 132.97,54.15 ; C47.2 v1(7.34,43.69) ; CN2.6 135.51,56.03 ; CN2.6 134.57,55.09 ; CN2.6 135.51,54.15 ; 159.89,62.81 JP2.1 ; JP2.1 160.83,63.75 ; JP2.1 159.89,64.69 ; JP2.1 158.95,63.75 ; JP2.2 163.37,63.75 ; JP2.2 162.43,64.69 ; JP2.2 162.43,62.81 ; JP2.2 161.49,63.75 ; 19.3,33.66 v1(19.3,32.77) ; C66.2 v1(12.7,32.26) ; v1(14.48,47.75) 14.35,47.62 C43.2 ; C80.1 v1(51.28,45.62) ; C87.1 v1(52.25,43.91) ; C45.2 v1(11.81,47.8) ; C48.1 v1(19.43,42.29) ; C59.2 119,37.59 v1(118.75,37.34) ; 4.46,54.4 CN3.7 ; CN3.7 4.46,55.82 ; CN3.7 5.44,55.11 ; CN3.7 3.48,55.11 ; CN13.9 v1(16.38,19.01) ; v1(19.51,47.83) 18.67,46.99 C40.1 ; C50.2 1.52,43 ; C50.2 v1(1.52,41.78) ; C50.2 1.07,42.55 ; v1(31.75,13.46) 30.73,13.46 C84.2 30.73,14.22 v1(31.75,14.22) ; C71.2 131.34,26.29 v1(131.17,26.47) ; C51.2 7.75,42.42 v1(7.49,42.67) ; SB45.1 54.61,40.58 v1(54.61,39.75) ; C41.2 v1(17.27,47.75) ; JP8.1 152.78,2.79 ; JP8.1 150.9,2.79 ; JP8.1 151.84,3.73 ; JP8.1 151.84,1.85 ; C57.2 130.18,38.35 v1(130.18,37.34) ; C68.2 v1(128.65,30.86) ; 2.41,56.98 CN3.8 1.28,57.86 ; C56.1 v1(148.97,39.12) ; C49.2 v1(24,42.04) ; v1(37.72,16.76) 38.86,16.76 C55.2 38.99,17.65 v1(37.72,17.65) ; R81.1 v1(160.27,41.15) ; R79.2 v1(6.86,42.04) ; 53.47,38.99 v1(53.47,39.75) ; R80.2 v1(6.86,39.24) ; C75.2 v1(123.32,15.75) ; C65.2 v1(16.89,32.38) ; R105.2 v1(49.25,49.1) ; CN13.6 v1(16.38,15.66) ; C54.2 v1(19.3,40.26) ; L6.1 v1(88.77,48.62) ; SB35.2 v1(130.05,30.86) ; 143.64,15.11 R104.1 ; U14.2 v1(2.76,47.03) ; C42.2 v1(15.88,47.75) ; SB9.2 v1(159.77,49.78) ; C73.2 109.6,19.3 109.09,18.8 v1(109.09,18.67)
  vias: v1(1.19,1.12) v1(1.4,65.91) v1(1.57,38.35) v1(3.3,39.6) v1(3.3,37.13) v1(4.95,44.32) v1(7.87,65.91) v1(8.23,1.17) v1(13.72,1.02) v1(14.73,65.91) v1(22.35,1.02) v1(22.58,38.35) v1(23.37,65.91) v1(24.28,39.57) v1(24.31,37.13) v1(26.67,44.32) v1(29.46,0.99) v1(30.96,53.52) v1(32.72,52.37) v1(33.15,66.04) v1(37.01,0.99) v1(42.04,65.94) v1(43.31,0.97) v1(50.16,1.02) v1(52.3,66.04) v1(55.24,1.02) v1(61.09,1.02) v1(61.85,66.04) v1(67.56,1.02) v1(72.52,65.91) v1(75.44,0.89) v1(83.69,0.89) v1(83.95,66.04) v1(92.71,0.89) v1(95.25,66.04) v1(101.73,0.89) v1(107.19,66.04) v1(111.25,0.89) v1(114.81,66.04) v1(120.9,0.89) v1(122.43,49.02) v1(122.43,48.13) v1(122.43,47.24) v1(123.06,49.02) v1(123.06,48.13) v1(123.06,47.24) v1(123.19,66.04) v1(127,52.07) v1(127,51.18) v1(127.89,52.07) v1(127.89,51.18) v1(129.03,0.89) v1(132.08,66.04) v1(135.51,48.9) v1(135.51,48.01) v1(135.51,47.12) v1(136.27,48.9) v1(136.27,48.01) v1(136.27,47.12) v1(140.59,66.04) v1(141.86,52.07) v1(141.86,51.18) v1(142.62,52.07) v1(142.62,51.18) v1(147.37,0.97) v1(150.24,12.57) v1(151.89,66.04) v1(158.29,0.89) v1(158.7,66.01) v1(164.72,66.04) v1(164.69,63.78) v1(167.72,64.87) v1(170.43,65.91) v1(170.43,63.65) v1(170.54,1.17) v1(170.84,58.17) v1(170.76,49.5) v1(170.94,40.46)
